# KiCad board untitled.kicad_pcb
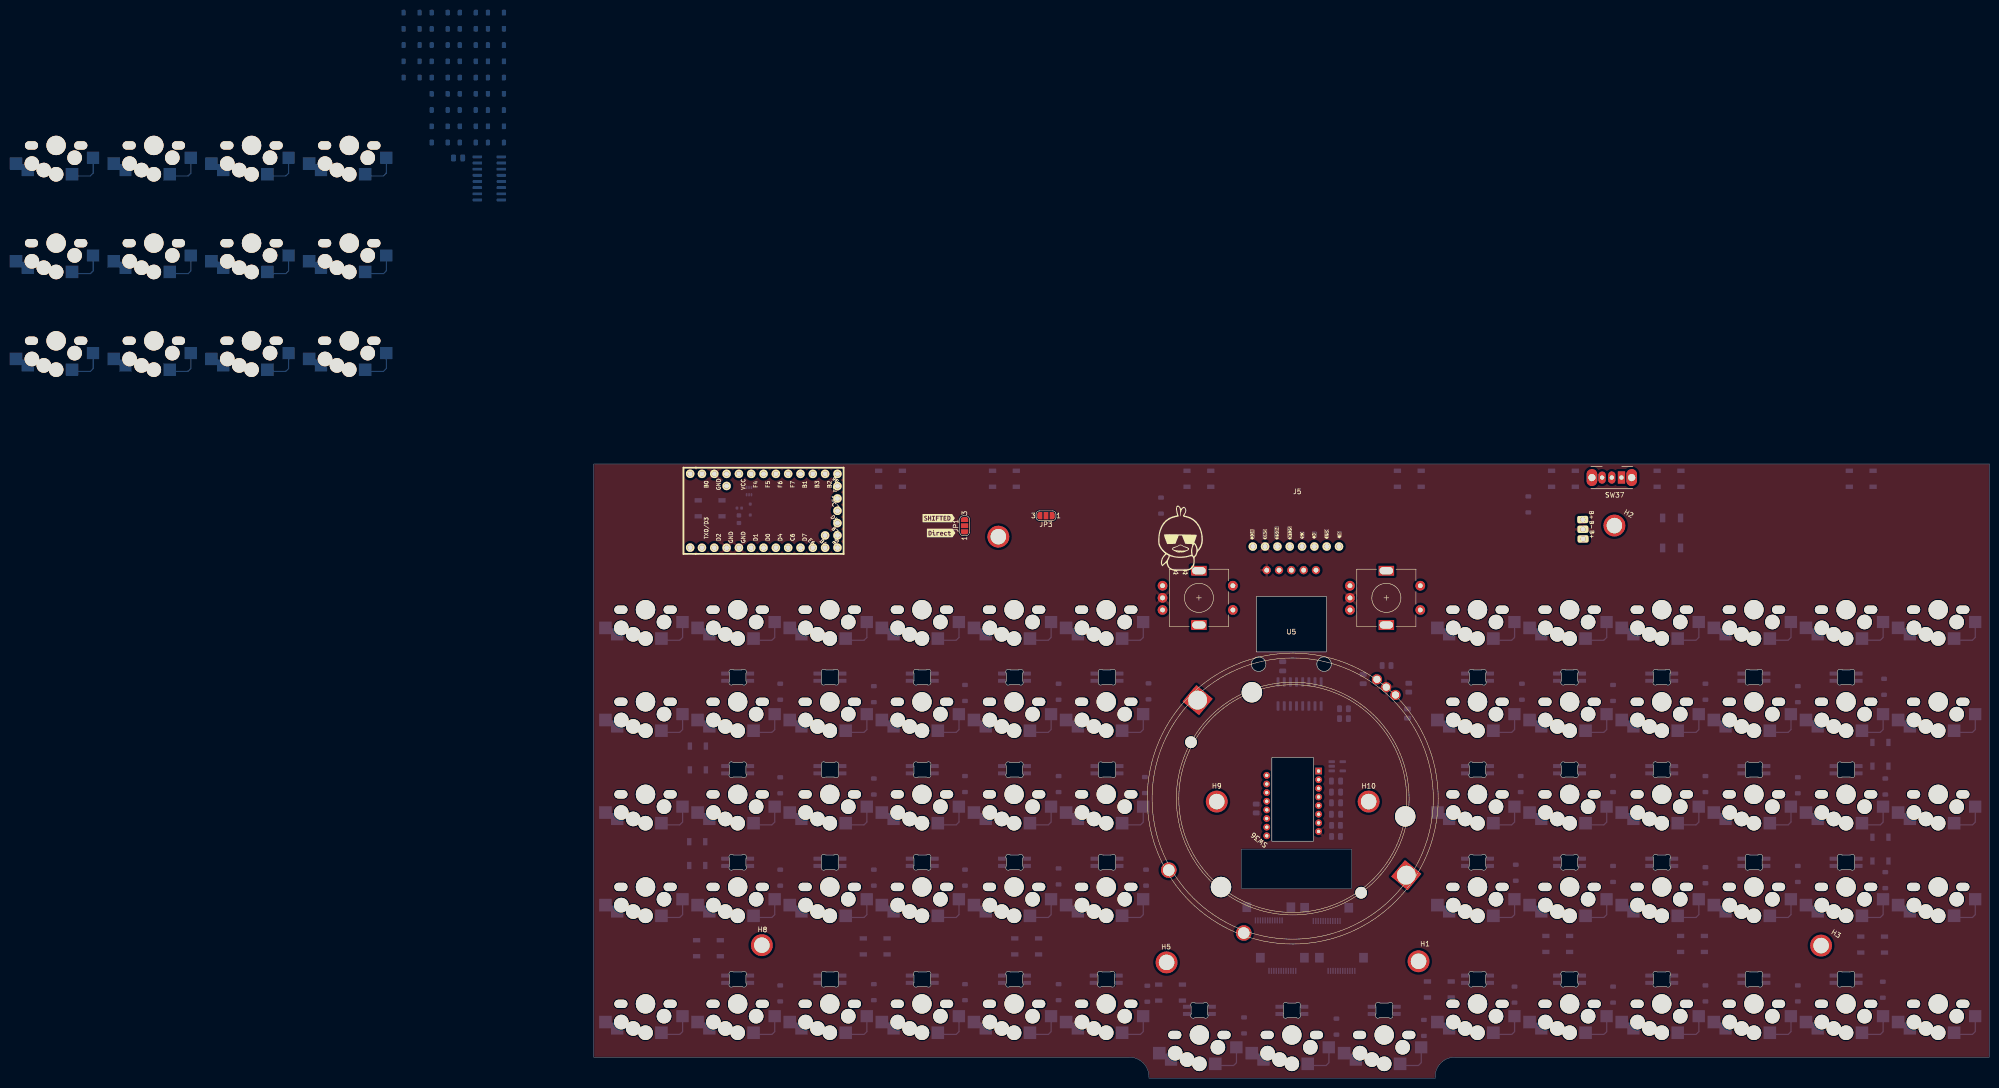
[diagram p0: board, top side]
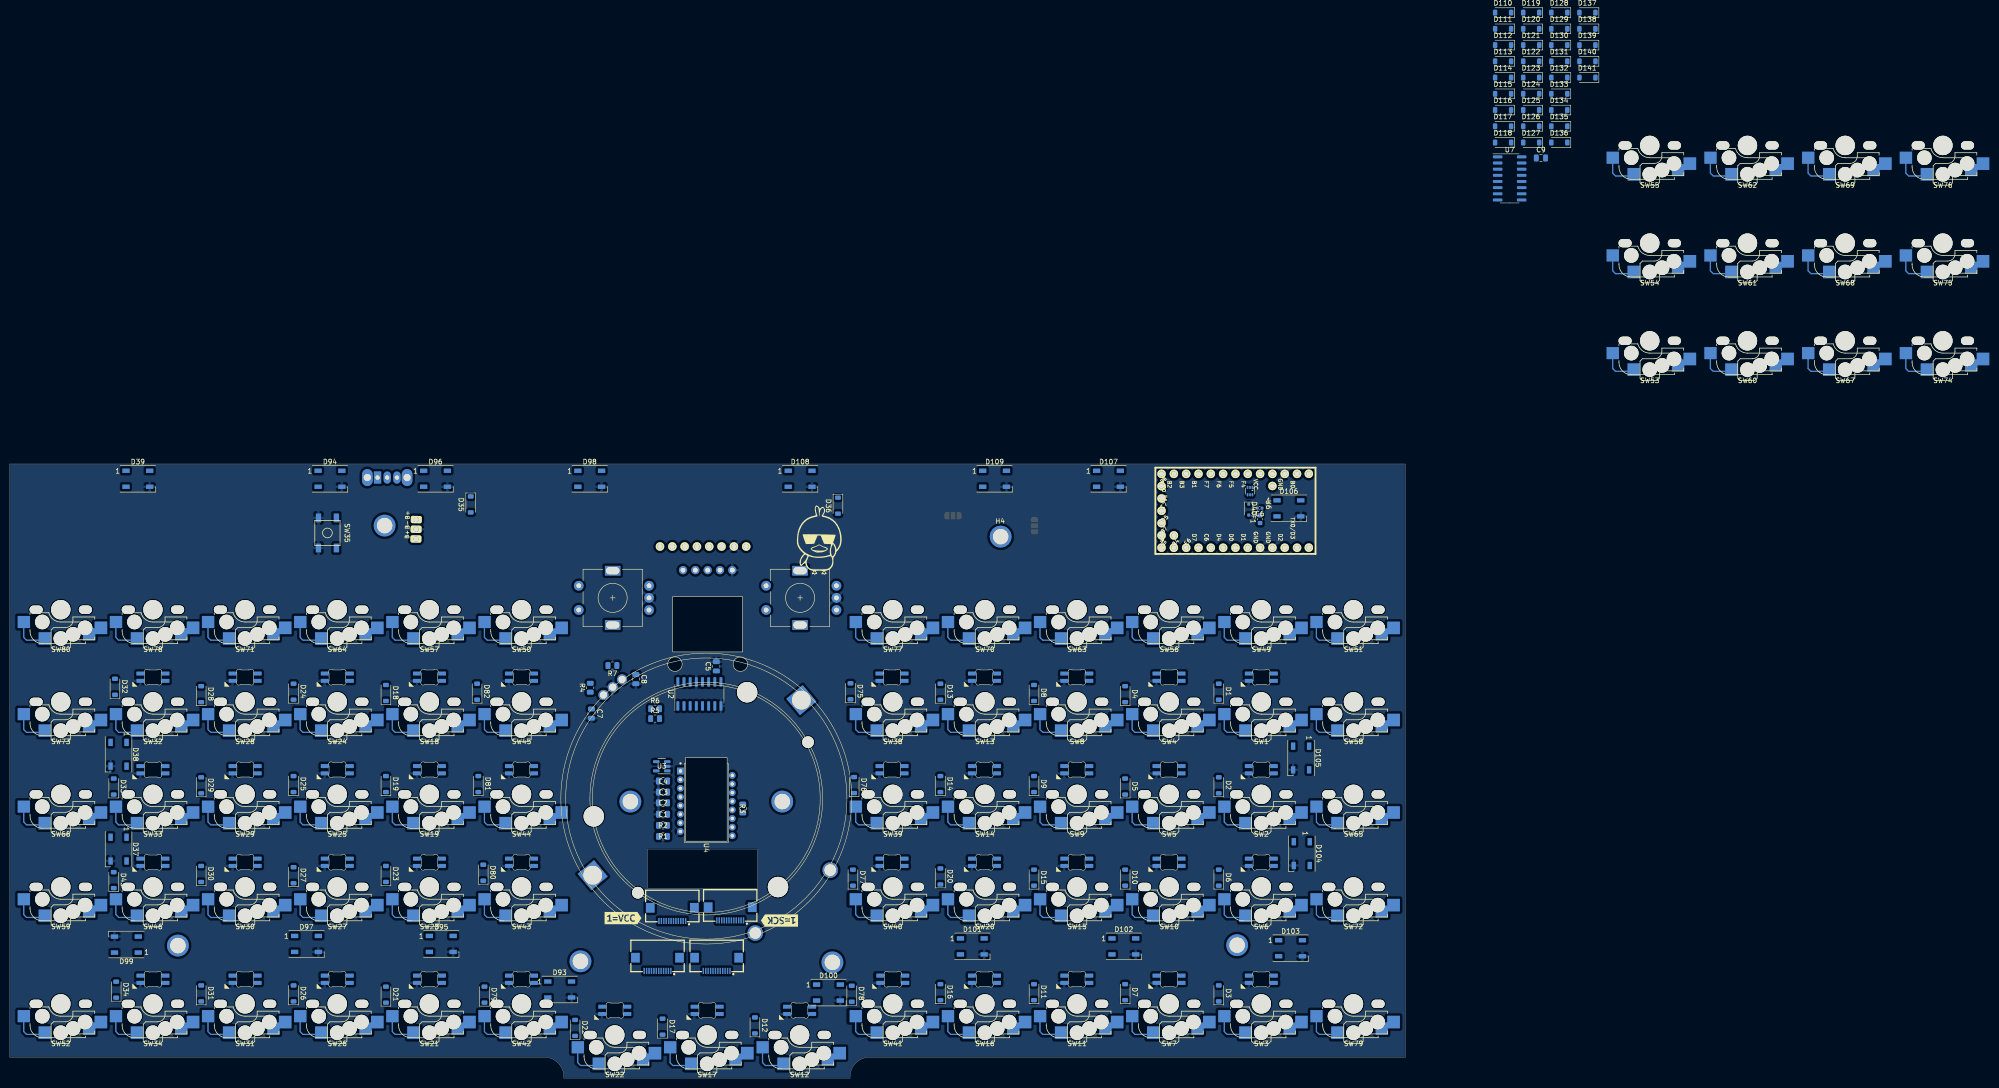
[diagram p1: board, bottom side, seen from below]

Outline 287.77 x 126.71 mm; copper layers: Top, Bottom. Coordinates in mm from the lower left corner of the outline.
Outline path: 0,126.71 287.77,126.71 287.77,4.35 177.54,4.35 arc(174.68,3.16) 173.49,0.29 173.48,0 114.48,0 114.47,0.29 arc(113.29,3.16) 110.42,4.35 0,4.35 0,126.71 ; 133.6,47.28 156.21,47.28 156.21,39.15 133.6,39.15 133.6,47.28
Stack: Top 0.035mm / dielectric 1.51mm FR4 er 4.5 / Bottom 0.035mm

## Placement (name value [footprint] x y rotation side)
C1  0.1uF  [C_0805_2012Metric]  153.05 54.46 0 bottom
C2  1uF  [C_0805_2012Metric]  153.05 56.82 0 bottom
C3  4.7uF  [C_0805_2012Metric]  153.05 59.03 0 bottom
C4  0.1uF  [C_0805_2012Metric]  153.05 61.31 180 bottom
C5  0.1uF  [C_0805_2012Metric]  142.05 84.98 90 bottom
C6  4u7  [C_0402_1005Metric]  29.99 117.61 0 bottom
C7  0.1uF  [C_0805_2012Metric]  167.79 75.23 270 bottom
C8  0.1uF  [C_0805_2012Metric]  158.65 82.35 270 bottom
C9  0.1uF  [C_0805_2012Metric]  -28 189.84 180 bottom
D1  1N4148  [D_SOD-123-rotated]  38.46 79.79 270 bottom
D2  1N4148  [D_SOD-123-rotated]  38.46 60.48 270 bottom
D3  1N4148  [D_SOD-123-rotated]  38.46 17.56 270 bottom
D4  1N4148  [D_SOD-123-rotated]  57.76 79.28 270 bottom
D5  1N4148  [D_SOD-123-rotated]  57.76 60.23 270 bottom
D6  1N4148  [D_SOD-123-rotated]  38.46 41.43 270 bottom
D7  1N4148  [D_SOD-123-rotated]  57.76 17.81 270 bottom
D8  1N4148  [D_SOD-123-rotated]  76.56 79.53 270 bottom
D9  1N4148  [D_SOD-123-rotated]  76.56 60.74 270 bottom
D10  1N4148  [D_SOD-123-rotated]  57.76 41.43 270 bottom
D11  1N4148  [D_SOD-123-rotated]  76.56 17.81 270 bottom
D12  1N4148  [D_SOD-123-rotated]  134.11 10.95 270 bottom
D13  1N4148  [D_SOD-123-rotated]  95.86 79.79 270 bottom
D14  1N4148  [D_SOD-123-rotated]  95.86 60.74 270 bottom
D15  1N4148  [D_SOD-123-rotated]  76.56 41.43 270 bottom
D16  1N4148  [D_SOD-123-rotated]  95.86 17.81 270 bottom
D17  1N4148  [D_SOD-123-rotated]  153.16 10.7 270 bottom
D18  1N4148  [D_SOD-123-rotated]  210.2 79.53 270 bottom
D19  1N4148  [D_SOD-123-rotated]  210.2 60.74 270 bottom
D20  1N4148  [D_SOD-123-rotated]  95.86 41.69 270 bottom
D21  1N4148  [D_SOD-123-rotated]  210.2 17.3 270 bottom
D22  1N4148  [D_SOD-123-rotated]  171.19 10.45 270 bottom
D23  1N4148  [D_SOD-123-rotated]  210.2 42.2 270 bottom
D24  1N4148  [D_SOD-123-rotated]  229.25 79.79 270 bottom
D25  1N4148  [D_SOD-123-rotated]  229.25 60.74 270 bottom
D26  1N4148  [D_SOD-123-rotated]  229.25 17.56 270 bottom
D27  1N4148  [D_SOD-123-rotated]  229.25 41.94 270 bottom
D28  1N4148  [D_SOD-123-rotated]  248.3 79.28 270 bottom
D29  1N4148  [D_SOD-123-rotated]  248.3 60.48 270 bottom
D30  1N4148  [D_SOD-123-rotated]  248.3 42.2 270 bottom
D31  1N4148  [D_SOD-123-rotated]  248.3 17.56 270 bottom
D32  1N4148  [D_SOD-123-rotated]  266.08 80.8 270 bottom
D33  1N4148  [D_SOD-123-rotated]  266.34 60.23 270 bottom
D34  1N4148  [D_SOD-123-rotated]  265.83 18.32 270 bottom
D35  1N4148  [D_SOD-123-rotated]  192.68 118.33 90 bottom
D36  1N4148  [D_SOD-123-rotated]  116.94 118.08 90 bottom
D37  WS2812B  [LED_WS2812B_PLCC4_5.0x5.0mm_P3.2mm]  265.32 47.28 270 bottom
D38  WS2812B  [LED_WS2812B_PLCC4_5.0x5.0mm_P3.2mm]  265.32 66.83 270 bottom
D39  WS2812B  [LED_WS2812B_PLCC4_5.0x5.0mm_P3.2mm]  261.35 123.66 180 bottom
D40  B5817WS  [D_SOD-323]  32.26 117.31 270 bottom
D41  SK6812MINI-E  [MX_SK6812MINI-E_REV]  86.75 15.35 180 top
D42  SK6812MINI-E  [MX_SK6812MINI-E_REV]  220.22 39.47 180 top
D43  1N4148  [D_SOD-123-rotated]  266.34 40.93 270 bottom
D44  SK6812MINI-E  [MX_SK6812MINI-E_REV]  239.22 58.57 180 top
D45  SK6812MINI-E  [MX_SK6812MINI-E_REV]  201.21 15.35 180 top
D46  SK6812MINI-E  [MX_SK6812MINI-E_REV]  105.82 77.66 180 top
D47  SK6812MINI-E  [MX_SK6812MINI-E_REV]  48.69 58.57 180 top
D48  SK6812MINI-E  [MX_SK6812MINI-E_REV]  67.72 39.47 180 top
D49  SK6812MINI-E  [MX_SK6812MINI-E_REV]  201.21 39.47 180 top
D50  SK6812MINI-E  [MX_SK6812MINI-E_REV]  258.23 58.57 180 top
D51  SK6812MINI-E  [MX_SK6812MINI-E_REV]  220.22 15.35 180 top
D52  SK6812MINI-E  [MX_SK6812MINI-E_REV]  105.66 15.36 180 top
D53  SK6812MINI-E  [MX_SK6812MINI-E_REV]  86.75 77.66 180 top
D54  SK6812MINI-E  [MX_SK6812MINI-E_REV]  67.72 58.57 180 top
D55  SK6812MINI-E  [MX_SK6812MINI-E_REV]  48.69 39.47 180 top
D56  SK6812MINI-E  [MX_SK6812MINI-E_REV]  182.23 39.47 180 top
D57  SK6812MINI-E  [MX_SK6812MINI-E_REV]  258.23 77.66 180 top
D58  SK6812MINI-E  [MX_SK6812MINI-E_REV]  239.22 15.35 180 top
D59  SK6812MINI-E  [MX_SK6812MINI-E_REV]  124.88 8.94 180 top
D60  SK6812MINI-E  [MX_SK6812MINI-E_REV]  67.72 77.66 180 top
D61  SK6812MINI-E  [MX_SK6812MINI-E_REV]  86.75 58.57 180 top
D62  SK6812MINI-E  [MX_SK6812MINI-E_REV]  29.66 39.47 180 top
D63  SK6812MINI-E  [MX_SK6812MINI-E_REV]  182.23 58.57 180 top
D64  SK6812MINI-E  [MX_SK6812MINI-E_REV]  239.22 77.66 180 top
D65  SK6812MINI-E  [MX_SK6812MINI-E_REV]  258.23 15.35 180 top
D66  SK6812MINI-E  [MX_SK6812MINI-E_REV]  143.94 8.94 180 top
D67  SK6812MINI-E  [MX_SK6812MINI-E_REV]  48.69 77.66 180 top
D68  SK6812MINI-E  [MX_SK6812MINI-E_REV]  105.82 58.57 180 top
D69  SK6812MINI-E  [MX_SK6812MINI-E_REV]  29.66 15.35 180 top
D70  SK6812MINI-E  [MX_SK6812MINI-E_REV]  201.21 58.57 180 top
D71  SK6812MINI-E  [MX_SK6812MINI-E_REV]  220.22 77.66 180 top
D72  SK6812MINI-E  [MX_SK6812MINI-E_REV]  258.23 39.47 180 top
D73  SK6812MINI-E  [MX_SK6812MINI-E_REV]  162.99 8.94 180 top
D74  SK6812MINI-E  [MX_SK6812MINI-E_REV]  29.66 77.66 180 top
D75  1N4148  [D_SOD-123-rotated]  114.41 79.87 270 bottom
D76  1N4148  [D_SOD-123-rotated]  113.64 60.54 270 bottom
D77  1N4148  [D_SOD-123-rotated]  113.9 41.43 270 bottom
D78  1N4148  [D_SOD-123-rotated]  114.15 17.49 270 bottom
D79  1N4148  [D_SOD-123-rotated]  189.88 17.3 270 bottom
D80  1N4148  [D_SOD-123-rotated]  190.14 42.45 270 bottom
D81  1N4148  [D_SOD-123-rotated]  191.15 60.74 270 bottom
D82  1N4148  [D_SOD-123-rotated]  191.41 79.79 270 bottom
D83  SK6812MINI-E  [MX_SK6812MINI-E_REV]  105.82 39.47 180 top
D84  SK6812MINI-E  [MX_SK6812MINI-E_REV]  48.69 15.35 180 top
D85  SK6812MINI-E  [MX_SK6812MINI-E_REV]  67.72 15.35 180 top
D86  SK6812MINI-E  [MX_SK6812MINI-E_REV]  220.22 58.57 180 top
D87  SK6812MINI-E  [MX_SK6812MINI-E_REV]  201.21 77.66 180 top
D88  SK6812MINI-E  [MX_SK6812MINI-E_REV]  239.22 39.47 180 top
D89  SK6812MINI-E  [MX_SK6812MINI-E_REV]  182.23 15.35 180 top
D90  SK6812MINI-E  [MX_SK6812MINI-E_REV]  29.66 58.57 180 top
D91  SK6812MINI-E  [MX_SK6812MINI-E_REV]  86.75 39.47 180 top
D92  SK6812MINI-E  [MX_SK6812MINI-E_REV]  182.23 77.66 180 top
D93  WS2812B  [LED_WS2812B_PLCC4_5.0x5.0mm_P3.2mm]  174.36 18.32 180 bottom
D94  WS2812B  [LED_WS2812B_PLCC4_5.0x5.0mm_P3.2mm]  221.72 123.66 180 bottom
D95  WS2812B  [LED_WS2812B_PLCC4_5.0x5.0mm_P3.2mm]  198.77 27.72 180 bottom
D96  WS2812B  [LED_WS2812B_PLCC4_5.0x5.0mm_P3.2mm]  199.95 123.66 180 bottom
D97  WS2812B  [LED_WS2812B_PLCC4_5.0x5.0mm_P3.2mm]  226.57 27.72 180 bottom
D98  WS2812B  [LED_WS2812B_PLCC4_5.0x5.0mm_P3.2mm]  168.16 123.66 180 bottom
D99  WS2812B  [LED_WS2812B_PLCC4_5.0x5.0mm_P3.2mm]  263.71 27.59 0 bottom
D100  WS2812B  [LED_WS2812B_PLCC4_5.0x5.0mm_P3.2mm]  118.93 17.68 180 bottom
D101  WS2812B  [LED_WS2812B_PLCC4_5.0x5.0mm_P3.2mm]  89.26 27.21 180 bottom
D102  WS2812B  [LED_WS2812B_PLCC4_5.0x5.0mm_P3.2mm]  58.02 27.21 180 bottom
D103  WS2812B  [LED_WS2812B_PLCC4_5.0x5.0mm_P3.2mm]  23.64 26.83 180 bottom
D104  WS2812B  [LED_WS2812B_PLCC4_5.0x5.0mm_P3.2mm]  21.32 46.35 270 bottom
D105  WS2812B  [LED_WS2812B_PLCC4_5.0x5.0mm_P3.2mm]  21.46 66.07 270 bottom
D106  WS2812B  [LED_WS2812B_PLCC4_5.0x5.0mm_P3.2mm]  23.98 117.57 180 bottom
D107  WS2812B  [LED_WS2812B_PLCC4_5.0x5.0mm_P3.2mm]  61.18 123.66 180 bottom
D108  WS2812B  [LED_WS2812B_PLCC4_5.0x5.0mm_P3.2mm]  124.77 123.66 180 bottom
D109  WS2812B  [LED_WS2812B_PLCC4_5.0x5.0mm_P3.2mm]  84.67 123.66 180 bottom
D110  1N4148  [D_SOD-123-rotated]  -20.15 219.8 180 bottom
D111  1N4148  [D_SOD-123-rotated]  -20.15 216.45 180 bottom
D112  1N4148  [D_SOD-123-rotated]  -20.15 213.1 180 bottom
D113  1N4148  [D_SOD-123-rotated]  -20.15 209.75 180 bottom
D114  1N4148  [D_SOD-123-rotated]  -20.15 206.4 180 bottom
D115  1N4148  [D_SOD-123-rotated]  -20.15 203.05 180 bottom
D116  1N4148  [D_SOD-123-rotated]  -20.15 199.7 180 bottom
D117  1N4148  [D_SOD-123-rotated]  -20.15 196.35 180 bottom
D118  1N4148  [D_SOD-123-rotated]  -20.15 193 180 bottom
D119  1N4148  [D_SOD-123-rotated]  -25.95 219.8 180 bottom
D120  1N4148  [D_SOD-123-rotated]  -25.95 216.45 180 bottom
D121  1N4148  [D_SOD-123-rotated]  -25.95 213.1 180 bottom
D122  1N4148  [D_SOD-123-rotated]  -25.95 209.75 180 bottom
D123  1N4148  [D_SOD-123-rotated]  -25.95 206.4 180 bottom
D124  1N4148  [D_SOD-123-rotated]  -25.95 203.05 180 bottom
D125  1N4148  [D_SOD-123-rotated]  -25.95 199.7 180 bottom
D126  1N4148  [D_SOD-123-rotated]  -25.95 196.35 180 bottom
D127  1N4148  [D_SOD-123-rotated]  -25.95 193 180 bottom
D128  1N4148  [D_SOD-123-rotated]  -31.74 219.8 180 bottom
D129  1N4148  [D_SOD-123-rotated]  -31.74 216.45 180 bottom
D130  1N4148  [D_SOD-123-rotated]  -31.74 213.1 180 bottom
D131  1N4148  [D_SOD-123-rotated]  -31.74 209.75 180 bottom
D132  1N4148  [D_SOD-123-rotated]  -31.74 206.4 180 bottom
D133  1N4148  [D_SOD-123-rotated]  -31.74 203.05 180 bottom
D134  1N4148  [D_SOD-123-rotated]  -31.74 199.7 180 bottom
D135  1N4148  [D_SOD-123-rotated]  -31.74 196.35 180 bottom
D136  1N4148  [D_SOD-123-rotated]  -31.74 193 180 bottom
D137  1N4148  [D_SOD-123-rotated]  -37.54 219.8 180 bottom
D138  1N4148  [D_SOD-123-rotated]  -37.54 216.45 180 bottom
D139  1N4148  [D_SOD-123-rotated]  -37.54 213.1 180 bottom
D140  1N4148  [D_SOD-123-rotated]  -37.54 209.75 180 bottom
D141  1N4148  [D_SOD-123-rotated]  -37.54 206.4 180 bottom
F1  500mA  [Fuse_0603_1608Metric]  29.93 115.32 90 bottom
G1  -  [LOGO]  120.9 109.69 0 top
G***  -  [LOGO]  120.9 109.69 180 bottom
H1  MountingHole_Pad  [MountingHole_M3]  170.07 24.13 1 top
H2  MountingHole_Pad  [MountingHole_M3]  210.46 114.01 331 top
H3  MountingHole_Pad  [MountingHole_M3#2]  253.13 27.46 329 top
H4  MountingHole_Pad  [MountingHole_M3]  83.42 111.73 358 top
H5  MountingHole_Pad  [MountingHole_M3]  118.11 23.91 2 top
H8  MountingHole_Pad  [MountingHole_M3]  34.65 27.46 358 top
H9  MountingHole_Pad  [MountingHole_M3]  128.46 57.08 0 top
H10  MountingHole_Pad  [MountingHole_M3]  159.78 57.08 0 top
J1  Conn_01x12_Female  [FPC-SMD_FPC05012-09200-.5mm-rev]  151.13 33.81 0 bottom
J2  Conn_01x12_Female  [FPC-SMD_FPC05012-09200-.5mm-rev]  139.19 33.93 0 bottom
J3  Conn_01x12_Female  [FPC-SMD_FPC05012-09200-.5mm-rev]  154.18 23.52 0 bottom
J4  Conn_01x08_Female  [3JST_BAT]  203.96 113.25 91 top
J5  Conn_01x08_Female  [Screen Dupont]  144.98 109.98 0 top
J6  Conn_01x12_Female  [FPC-SMD_FPC05012-09200-.5mm-rev]  141.98 23.52 0 bottom
JP1  SolderJumper_3_Open  [SolderJumper-3_P1.3mm_Open_RoundedPad1.0x1.5mm_NumberLabels]  76.45 113.98 90 top
JP3  SolderJumper_3_Open  [SolderJumper-3_P1.3mm_Open_RoundedPad1.0x1.5mm_NumberLabels]  93.25 116.04 180 top
kibuzzard-63B827BA  G***  [kibuzzard-63B827BA]  71.12 115.54 0 top
kibuzzard-63B8279E  G***  [kibuzzard-63B8279E]  71.63 112.49 0 top
kibuzzard-638CDE9C  G***  [kibuzzard-638CDE9C]  161.29 33.05 180 bottom
kibuzzard-638CDF14  G***  [kibuzzard-638CDF14]  129.03 32.54 0 bottom
R1  39  [R_0805_2012Metric]  153.05 49.88 0 bottom
R2  10K  [R_0805_2012Metric]  153.05 52.17 0 bottom
R3  10K  [R_0805_2012Metric]  136.6 55.65 90 bottom
R4  10K  [R_0805_2012Metric]  168.05 80.57 90 bottom
R5  10K  [R_0805_2012Metric]  154.68 74.2 180 bottom
R6  10K  [R_0805_2012Metric]  154.68 76.23 180 bottom
R7  10K  [R_0805_2012Metric]  163.48 85.14 0 bottom
SW1  SW_Push  [Kailh_hotswap_only_MX-CHOC]  29.66 77.66 180 top
SW2  SW_Push  [Kailh_hotswap_only_MX-CHOC]  29.66 58.57 180 top
SW3  SW_Push  [Kailh_hotswap_only_MX-CHOC]  29.66 15.35 180 top
SW4  SW_Push  [Kailh_hotswap_only_MX-CHOC]  48.66 77.66 180 top
SW5  SW_Push  [Kailh_hotswap_only_MX-CHOC]  48.66 58.57 180 top
SW6  SW_Push  [Kailh_hotswap_only_MX-CHOC]  29.66 39.47 180 top
SW7  SW_Push  [Kailh_hotswap_only_MX-CHOC]  48.66 15.35 180 top
SW8  SW_Push  [Kailh_hotswap_only_MX-CHOC]  67.66 77.66 180 top
SW9  SW_Push  [Kailh_hotswap_only_MX-CHOC]  67.66 58.57 180 top
SW10  SW_Push  [Kailh_hotswap_only_MX-CHOC]  48.66 39.47 180 top
SW11  SW_Push  [Kailh_hotswap_only_MX-CHOC]  67.66 15.35 180 top
SW12  SW_Push  [Kailh_hotswap_only_MX-CHOC]  124.88 8.94 180 top
SW13  SW_Push  [Kailh_hotswap_only_MX-CHOC]  86.66 77.66 180 top
SW14  SW_Push  [Kailh_hotswap_only_MX-CHOC]  86.66 58.57 180 top
SW15  SW_Push  [Kailh_hotswap_only_MX-CHOC]  67.66 39.47 180 top
SW16  SW_Push  [Kailh_hotswap_only_MX-CHOC]  86.66 15.35 180 top
SW17  SW_Push  [Kailh_hotswap_only_MX-CHOC]  143.94 8.94 180 top
SW18  SW_Push  [Kailh_hotswap_only_MX-CHOC]  201.23 77.66 180 top
SW19  SW_Push  [Kailh_hotswap_only_MX-CHOC]  201.23 58.57 180 top
SW20  SW_Push  [Kailh_hotswap_only_MX-CHOC]  86.66 39.47 180 top
SW21  SW_Push  [Kailh_hotswap_only_MX-CHOC]  201.23 15.35 180 top
SW22  SW_Push  [Kailh_hotswap_only_MX-CHOC]  162.99 8.94 180 top
SW23  SW_Push  [Kailh_hotswap_only_MX-CHOC]  201.23 39.47 180 top
SW24  SW_Push  [Kailh_hotswap_only_MX-CHOC]  220.23 77.66 180 top
SW25  SW_Push  [Kailh_hotswap_only_MX-CHOC]  220.23 58.57 180 top
SW26  SW_Push  [Kailh_hotswap_only_MX-CHOC]  220.23 15.35 180 top
SW27  SW_Push  [Kailh_hotswap_only_MX-CHOC]  220.23 39.47 180 top
SW28  SW_Push  [Kailh_hotswap_only_MX-CHOC]  239.23 77.66 180 top
SW29  SW_Push  [Kailh_hotswap_only_MX-CHOC]  239.23 58.57 180 top
SW30  SW_Push  [Kailh_hotswap_only_MX-CHOC]  239.23 39.47 180 top
SW31  SW_Push  [Kailh_hotswap_only_MX-CHOC]  239.23 15.35 180 top
SW32  SW_Push  [Kailh_hotswap_only_MX-CHOC]  258.23 77.66 180 top
SW33  SW_Push  [Kailh_hotswap_only_MX-CHOC]  258.23 58.57 180 top
SW34  SW_Push  [Kailh_hotswap_only_MX-CHOC]  258.23 15.35 180 top
SW35  SW_Push  [SKQG-1155865]  222.25 112.49 90 bottom
SW36  RotaryEncoder  [PERS56v2]  144.12 57.7 140 top
SW37  SW_SPDT  [SW_CuK_OS102011MA1QN1_SPDT_Angled]  211.92 123.92 180 top
SW38  SW_Push  [Kailh_hotswap_only_MX-CHOC]  105.66 77.66 180 top
SW39  SW_Push  [Kailh_hotswap_only_MX-CHOC]  105.66 58.58 180 top
SW40  SW_Push  [Kailh_hotswap_only_MX-CHOC]  105.66 39.48 180 top
SW41  SW_Push  [Kailh_hotswap_only_MX-CHOC]  105.66 15.36 180 top
SW42  SW_Push  [Kailh_hotswap_only_MX-CHOC]  182.23 15.35 180 top
SW43  SW_Push  [Kailh_hotswap_only_MX-CHOC]  182.23 39.47 180 top
SW44  SW_Push  [Kailh_hotswap_only_MX-CHOC]  182.23 58.57 180 top
SW45  SW_Push  [Kailh_hotswap_only_MX-CHOC]  182.23 77.66 180 top
SW46  SW_Push  [Kailh_hotswap_only_MX-CHOC]  258.23 39.47 180 top
SW47  Rotary_Encoder_Switch  [RotaryEncoder_Alps_EC11E-Switch_Vertical_H20mm-keebio_modified]  163.43 99.1 0 top
SW48  Rotary_Encoder_Switch  [RotaryEncoder_Alps_EC11E-Switch_Vertical_H20mm-keebio_modified]  124.78 99.1 0 top
SW49  SW_Push  [Kailh_hotswap_only_MX-CHOC]  29.66 96.66 180 top
SW50  SW_Push  [Kailh_hotswap_only_MX-CHOC]  182.23 96.66 180 top
SW51  SW_Push  [Kailh_hotswap_only_MX-CHOC]  10.66 96.66 180 top
SW52  SW_Push  [Kailh_hotswap_only_MX-CHOC]  277.23 15.36 180 top
SW53  SW_Push  [Kailh_hotswap_only_MX-CHOC]  -50.44 152.12 180 top
SW54  SW_Push  [Kailh_hotswap_only_MX-CHOC]  -50.44 172.27 180 top
SW55  SW_Push  [Kailh_hotswap_only_MX-CHOC]  -50.44 192.42 180 top
SW56  SW_Push  [Kailh_hotswap_only_MX-CHOC]  48.66 96.66 180 top
SW57  SW_Push  [Kailh_hotswap_only_MX-CHOC]  201.23 96.66 180 top
SW58  SW_Push  [Kailh_hotswap_only_MX-CHOC]  10.66 77.66 180 top
SW59  SW_Push  [Kailh_hotswap_only_MX-CHOC]  277.23 39.48 180 top
SW60  SW_Push  [Kailh_hotswap_only_MX-CHOC]  -70.59 152.12 180 top
SW61  SW_Push  [Kailh_hotswap_only_MX-CHOC]  -70.59 172.27 180 top
SW62  SW_Push  [Kailh_hotswap_only_MX-CHOC]  -70.59 192.42 180 top
SW63  SW_Push  [Kailh_hotswap_only_MX-CHOC]  67.66 96.66 180 top
SW64  SW_Push  [Kailh_hotswap_only_MX-CHOC]  220.23 96.66 180 top
SW65  SW_Push  [Kailh_hotswap_only_MX-CHOC]  10.66 58.58 180 top
SW66  SW_Push  [Kailh_hotswap_only_MX-CHOC]  277.23 58.58 180 top
SW67  SW_Push  [Kailh_hotswap_only_MX-CHOC]  -90.74 152.12 180 top
SW68  SW_Push  [Kailh_hotswap_only_MX-CHOC]  -90.74 172.27 180 top
SW69  SW_Push  [Kailh_hotswap_only_MX-CHOC]  -90.74 192.42 180 top
SW70  SW_Push  [Kailh_hotswap_only_MX-CHOC]  86.66 96.66 180 top
SW71  SW_Push  [Kailh_hotswap_only_MX-CHOC]  239.23 96.66 180 top
SW72  SW_Push  [Kailh_hotswap_only_MX-CHOC]  10.66 39.47 180 top
SW73  SW_Push  [Kailh_hotswap_only_MX-CHOC]  277.23 77.66 180 top
SW74  SW_Push  [Kailh_hotswap_only_MX-CHOC]  -110.89 152.12 180 top
SW75  SW_Push  [Kailh_hotswap_only_MX-CHOC]  -110.89 172.27 180 top
SW76  SW_Push  [Kailh_hotswap_only_MX-CHOC]  -110.89 192.42 180 top
SW77  SW_Push  [Kailh_hotswap_only_MX-CHOC]  105.66 96.66 180 top
SW78  SW_Push  [Kailh_hotswap_only_MX-CHOC]  258.23 96.66 180 top
SW79  SW_Push  [Kailh_hotswap_only_MX-CHOC]  10.66 15.36 180 top
SW80  SW_Push  [Kailh_hotswap_only_MX-CHOC]  277.23 96.66 180 top
U1  Elite-C  [Helios-SeaPicro]  36.27 117.06 0 top
U2  74HC595  [SOIC-16_3.9x9.9mm_P1.27mm]  145.54 79.28 90 bottom
U3  VRH1902LTX  [SOT-23-5]  153.3 64.36 0 bottom
U4  -  [PMW3360DM-T2QU]  144.11 57.72 270 bottom
U5  DRV2605L  [Pimoroni Haptic Buzz DRV2605L Driver]  143.84 94.42 180 top
U6  74LVC1T45  [SOT-563]  32 121.12 270 bottom
U7  74HC595  [SOIC-16_3.9x9.9mm_P1.27mm]  -21.55 185.62 180 bottom

## Library data of the parts
C1 C4 C5 C7-C9 = -: Description: Unpolarized capacitor; LCSC: C77456; manf#: 0805B104K101CT
C2 = -: Description: Unpolarized capacitor; LCSC: C366879; manf#: 0805B105K100CT
C3 = -: Description: Unpolarized capacitor; LCSC: C303940; manf#: 0805X475K250CT
C6 = -: Description: Unpolarized capacitor; JLC Basic: Y; LCSC: C23733; MPN : CL05A475MP5NRNC; Manufacturer: Samsung Electro-Mechanics; Substitute: Y
D1-D34 D43 D75-D82 D110-D141 = -: Description: 100V 0.15A standard switching diode, DO-35; LCSC: C8598
D35 D36 = -: Description: 100V 0.15A standard switching diode, DO-35; LCSC: C8598; MPN : B5819W SL; Package: SOD-123
D37-D39 D93-D109 = -: Description: RGB LED with integrated controller; LCSC: C2843785; MPN : XL-5050RGBC-WS2812B; Package: SMD5050
D40 = -: Description: Schottky diode; JLC Basic: N; LCSC: C122854; Manufacturer: Shikues; Substitute: N
D41 D42 D44-D74 D83-D92 = -: Description: Reverse-mount RGB LED with integrated controller; Field4: 1
F1 = -: Description: Resettable fuse, polymeric positive temperature coefficient, small symbol; JLC Basic: N; LCSC: C210357; MPN : MF-FSMF050X-2; Manufacturer: BOURNS; Substitute: Y
H1-H5 H8-H10 = -: Description: Mounting Hole without connection
J1-J3 J6 = -: Description: Generic connector, single row, 01x12, script generated (kicad-library-utils/schlib/autogen/connector/); LCSC: C479750
J4 = -: Description: Generic connector, single row, 01x03, script generated (kicad-library-utils/schlib/autogen/connector/)
J5 = -: Description: Generic connector, single row, 01x08, script generated (kicad-library-utils/schlib/autogen/connector/)
JP1 JP3 = -: Description: Solder Jumper, 3-pole, open
R1 = -: Description: Resistor; LCSC: C514993; manf#: SG73P2ATTD39R0F
R2-R7 = -: Description: Resistor; LCSC: C406725; manf#: ARG05BTC1002
SW1-SW34 SW38-SW46 SW49-SW80 = -: Description: Push button switch, generic, two pins
SW35 = -: Description: Push button switch, generic, two pins; LCSC: C221856
SW36 = -: Description: Rotary encoder, dual channel, incremental quadrate outputs
SW37 = -: Description: Switch, single pole double throw; LCSC(not included): C226259
U2 U7 = -: Description: 8-bit serial in/out Shift Register 3-State Outputs; LCSC: C10092
U3 = -: Description: 200mA Low Dropout Voltage Regulator, Fixed Output 1.9V, SOT-23-5
U4 = -: Description: High-end gaming integrated chip in 16-pin molded lead-frame DIP package
U6 = -: Description: Single-Bit Dual-Supply Bus Transceiver With Configurable Voltage Translation and 3-State Outputs, SOT-563; JLC Basic: N; LCSC: C352970; MPN : SN74LVC1T45DRLR; Manufacturer: Texas Instruments; Substitute: N

## Footprints (pads in the part's own frame, mm; a bottom-side part is the same pattern mirrored in y, then rotated)
3JST_BAT
  rrect 1.5x2.25 hole 1.092: 1(2,0) 2(0,0) 3(-2,0)
C_0402_1005Metric
  rrect 0.56x0.62 smd: 1(-0.48,0) 2(0.48,0)
C_0805_2012Metric
  rrect 1x1.45 smd: 1(-0.95,0) 2(0.95,0)
D_SOD-123-rotated
  rrect 0.9x1.2 smd: 1(1.697,0.021) 2(-1.603,0.021)
D_SOD-323
  rrect 0.65x0.6 smd: 1(-1.125,0) 2(1.125,0)
FPC-SMD_FPC05012-09200-.5mm-rev
  rect 0.28x1.25 smd: 1(-2.75,1.362) 2(-2.25,1.362) 3(-1.75,1.362) 4(-1.25,1.362) 5(-0.75,1.362) 6(-0.25,1.362) 7(0.25,1.362) 8(0.75,1.362) 9(1.25,1.362) 10(1.75,1.362) 11(2.25,1.362) 12(2.75,1.362)
  rect 1.8x2 smd: 13(4.55,-1.362) 14(-4.55,-1.362)
Fuse_0603_1608Metric
  rrect 0.875x0.95 smd: 1(-0.787,0) 2(0.787,0)
Helios-SeaPicro
  round 1.753 hole 1.092: 1(-13.97,-7.62) 2(-11.43,-7.62) 3(-8.89,-7.62) 4(-6.35,-7.62) 5(-3.81,-7.62) 6(-1.27,-7.62) 7(1.27,-7.62) 8(3.81,-7.62) 9(6.35,-7.62) 10(8.89,-7.62) 11(11.43,-7.62) 12(13.97,-7.6) 13(13.97,7.62) 14(11.43,7.62) 15(8.89,7.62) 16(6.35,7.62) 17(3.81,7.62) 18(1.27,7.62) 19(-1.27,7.62) 20(-3.81,7.62) 21(-6.35,7.62) 22(-8.89,7.62) 23(-11.43,7.62) 24(-13.97,7.62) 25(13.97,-5.08) 26(13.97,-2.54) 27(13.97,0) 28(13.97,2.54) 29(13.97,5.08) 30(-8.89,5.12) 30(11.43,-5.08) 31(-16.4,-7.6) 32(-16.4,7.64)
Kailh_hotswap_only_MX-CHOC
  oval 2.702x1.702 hole 2.702x1.702 unplated: (-5.08,0.004) (5.08,0)
  round 3 hole 3 unplated: (-3.81,2.54) (0.002,5.953) (2.54,5.08) (5,3.75)
  round 3.988 hole 3.988 unplated: (0.002,0.003)
  rect 2.55x2.5 smd far side: 1(5.844,5.083) 2(-7.62,2.54)
  rect 2.6x2.6 smd far side: 1(8.275,3.75) 2(-3.273,5.953)
  rrect 1x0.25 smd far side rot 45: 2(-8.343,5.558)
  rect 0.25x4 smd far side: 2(-8.026,2.73)
  rect 3x0.25 smd far side: 2(-6.6,6.68)
LED_WS2812B_PLCC4_5.0x5.0mm_P3.2mm
  rect 1.5x0.9 smd: 1(-2.45,1.65) 2(-2.45,-1.65) 3(2.45,-1.65) 4(2.45,1.65)
MountingHole_M3
  round 4.5 hole 3.2: 1(0,0)
MountingHole_M3#2
  round 4.5 hole 3.2: 1(0,-0.1)
MX_SK6812MINI-E_REV
  rrect 1.6x0.82 smd far side: 1(2.6,-5.83) 2(2.6,-4.33) 3(-2.6,-4.33) 4(-2.6,-5.83)
PERS56v2
  round 2.4 hole 2.4 unplated: (-23.29,5.806) (23.544,4.573)
  round 4.2 hole 4.2 unplated: (-20.135,-12.098) (-0.4,23.485) (20.549,-11.39)
  round 3.2 hole 2.4: (-10.094,27.733) (10.092,27.733)
  round 2.1 hole 1.5: A(-2.5,-30) B(2.5,-30) C(0,-30)
  rect 4.4x4.4 hole 3.8x3.9: MP(-28.095,-2.953) MP(28.071,-2.951)
Pimoroni Haptic Buzz DRV2605L Driver
  round 1.7 hole 1: 1(-5.08,-10.4)
  oval 1.7x1.7 hole 1: 2(-2.54,-10.4) 3(0,-10.4) 4(2.54,-10.4) 5(5.08,-10.4)
PMW3360DM-T2QU
  rect 1.4x1.4 hole 0.7: 1(-5.66,-5.35)
  round 1.4 hole 0.7: 2(-3.88,-5.35) 3(-2.1,-5.35) 4(-0.32,-5.35) 5(1.46,-5.35) 6(3.24,-5.35) 7(5.02,-5.35) 8(6.8,-5.35) 9(7.69,5.35) 10(5.91,5.35) 11(4.13,5.35) 12(2.35,5.35) 13(0.57,5.35) 14(-1.21,5.35) 15(-2.99,5.35) 16(-4.77,5.35)
R_0805_2012Metric
  rrect 1.025x1.4 smd: 1(-0.912,0) 2(0.912,0)
RotaryEncoder_Alps_EC11E-Switch_Vertical_H20mm-keebio_modified
  round 2 hole 1: A(-7.5,2.5) B(-7.5,-2.5) C(-7.5,0) S1(7,-2.5) S2(7,2.5)
  rect 3.2x2 hole 2.8x1.5: MP(0,5.6) MP(0,-5.6)
Screen Dupont
  round 1.753 hole 1.092: 1(-9.095,-0.288) 2(-6.555,-0.288) 3(-4.015,-0.288) 4(-1.475,-0.288) 5(1.065,-0.288) 6(3.605,-0.288) 7(6.145,-0.288) 8(8.685,-0.288)
SKQG-1155865
  rect 1.8x1.1 smd: 1(-3.1,-1.85) 1(3.1,-1.85) 2(-3.1,1.85) 2(3.1,1.85)
SOIC-16_3.9x9.9mm_P1.27mm
  rrect 1.95x0.6 smd: 1(-2.475,4.445) 2(-2.475,3.175) 3(-2.475,1.905) 4(-2.475,0.635) 5(-2.475,-0.635) 6(-2.475,-1.905) 7(-2.475,-3.175) 8(-2.475,-4.445) 9(2.475,-4.445) 10(2.475,-3.175) 11(2.475,-1.905) 12(2.475,-0.635) 13(2.475,0.635) 14(2.475,1.905) 15(2.475,3.175) 16(2.475,4.445)
SolderJumper-3_P1.3mm_Open_RoundedPad1.0x1.5mm_NumberLabels
  custom 1.05x1.5 smd: 1(-1.3,0) 3(1.3,0)
  rect 1x1.5 smd: 2(0,0)
SOT-23-5
  rrect 1.325x0.6 smd: 1(-1.137,0.95) 2(-1.137,0) 3(-1.137,-0.95) 4(1.137,-0.95) 5(1.137,0.95)
SOT-563
  rrect 0.7x0.34 smd: 1(-0.75,0.5)
  oval 0.7x0.34 smd: 2(-0.75,0) 3(-0.75,-0.5) 4(0.75,-0.5) 5(0.75,0) 6(0.75,0.5)
SW_CuK_OS102011MA1QN1_SPDT_Angled
  oval 2.2x3.5 hole 1.5: (-2.1,0) (6.1,0)
  rect 1.5x2.5 hole 0.9: 1(0,0)
  oval 1.5x2.5 hole 0.9: 2(2,0) 3(4,0)

## Nets
GND: C1.2 C2.2 C3.2 C4.1 C5.2 C6.2 C7.2 C8.2 C9.2 D37.3 D38.3 D39.3 D41.3 D42.3 D44.3 D45.3 D46.3 D47.3 D48.3 D49.3 D50.3 D51.3 D52.3 D53.3 D54.3 D55.3 D56.3 D57.3 D58.3 D59.3 D60.3 D61.3 D62.3 D63.3 D64.3 D65.3 D66.3 D67.3 D68.3 D69.3 D70.3 D71.3 D72.3 D73.3 D74.3 D83.3 D84.3 D85.3 D86.3 D87.3 D88.3 D89.3 D90.3 D91.3 D92.3 D93.3 D94.3 D95.3 D96.3 D97.3 D98.3 D99.3 D100.3 D101.3 D102.3 D103.3 D104.3 D105.3 D106.3 D107.3 D108.3 D109.3 J1.2 J2.11 J3.2 J4.2 J5.2 J6.11 SW35.2 SW36.C SW47.C SW48.C U1.3 U1.4 U1.23 U2.8 U2.13 U3.2 U4.8 U5.5 U6.2 U7.8 U7.13
VCC: C1.1 C5.1 C9.1 J1.1 J2.12 J3.1 J5.1 J6.12 R3.2 R5.2 R6.2 U1.21 U2.10 U2.16 U3.1 U3.3 U4.5 U5.1 U6.1 U6.5 U7.10 U7.16
VDD: C2.1 R1.1 R2.2 U3.5 U4.4
bat+: J4.1 J4.3 SW37.2
col0: D1.2 D2.2 D3.2 D6.2 D75.2 U2.7
col1: D4.2 D5.2 D7.2 D10.2 D76.2 U2.6
col2: D8.2 D9.2 D11.2 D12.2 D15.2 D77.2 U2.5
col3: D13.2 D14.2 D16.2 D17.2 D20.2 D78.2 U2.4
col4: D18.2 D19.2 D21.2 D22.2 D23.2 D79.2 U2.3
col5: D24.2 D25.2 D26.2 D27.2 D80.2 U2.2
col6: D28.2 D29.2 D30.2 D31.2 D81.2 U2.1
col7: D32.2 D33.2 D34.2 D43.2 D82.2 U2.15
col8: D110.2 D118.2 D126.2 D134.2 U7.7
col9: D111.2 D119.2 D127.2 D135.2 U7.6
col10: D112.2 D120.2 D128.2 D136.2 U7.5
col11: D113.2 D121.2 D129.2 D137.2 U7.4
col12: D114.2 D122.2 D130.2 D138.2 U7.3
col13: D115.2 D123.2 D131.2 D139.2 U7.2
col14: D116.2 D124.2 D132.2 D140.2 U7.1
col15: D117.2 D125.2 D133.2 D141.2 U7.15
EncL: C7.1 R4.1 U1.20
EncL_1: JP3.1 SW48.B
EncL_2: SW47.B U1.32
EncR: C8.1 R7.1 U1.19
EncR_1: SW48.A U1.18
EncR_2: SW47.A U1.31
GPIO16: JP3.2 U1.29
LED_3V3: U1.28 U6.3
LED_5V: JP1.1 U1.30
LED_DO: D46.4 JP1.2
LED_PWR: D37.1 D38.1 D39.1 D40.1 D41.1 D42.1 D44.1 D45.1 D46.1 D47.1 D48.1 D49.1 D50.1 D51.1 D52.1 D53.1 D54.1 D55.1 D56.1 D57.1 D58.1 D59.1 D60.1 D61.1 D62.1 D63.1 D64.1 D65.1 D66.1 D67.1 D68.1 D69.1 D70.1 D71.1 D72.1 D73.1 D74.1 D83.1 D84.1 D85.1 D86.1 D87.1 D88.1 D89.1 D90.1 D91.1 D92.1 D93.1 D94.1 D95.1 D96.1 D97.1 D98.1 D99.1 D100.1 D101.1 D102.1 D103.1 D104.1 D105.1 D106.1 D107.1 D108.1 D109.1
LED_SHFT_5V: JP1.3 U6.4
MISO: J1.11 J2.2 J3.11 J6.2 R3.1 U1.15 U4.12
MOSI: J1.8 J2.5 J3.8 J5.3 J6.5 U1.14 U2.14 U4.11
MOTION: J1.9 J2.4 J3.9 J6.4 JP3.3 U4.9
NCS: J1.10 J2.3 U1.2 U4.13
NCS_2: J3.10 J6.3
RAW: C6.1 F1.2 SW37.3 U1.24 U6.6
RESET: SW35.1 U1.22
row_0: SW1.1 SW4.1 SW8.1 SW13.1 SW18.1 SW24.1 SW28.1 SW32.1 SW49.1 SW50.1 SW51.1 SW52.1 SW53.1 SW54.1 SW55.1 SW56.1 U1.7
row_1: SW2.1 SW5.1 SW9.1 SW14.1 SW19.1 SW25.1 SW29.1 SW33.1 SW57.1 SW58.1 SW59.1 SW60.1 SW61.1 SW62.1 SW63.1 SW64.1 U1.8
row_2: SW6.1 SW10.1 SW15.1 SW20.1 SW23.1 SW27.1 SW30.1 SW46.1 SW65.1 SW66.1 SW67.1 SW68.1 SW69.1 SW70.1 SW71.1 SW72.1 U1.9
row_3: SW3.1 SW7.1 SW11.1 SW16.1 SW21.1 SW26.1 SW31.1 SW34.1 SW73.1 SW74.1 SW75.1 SW76.1 SW77.1 SW78.1 SW79.1 SW80.1 U1.10
row_4: SW38.1 SW39.1 SW40.1 SW41.1 SW42.1 SW43.1 SW44.1 SW45.1
row_5: SW12.1 SW17.1 SW22.1
SCL: U1.6 U5.3
SCLK: J1.12 J2.1 J3.12 J5.4 J6.1 U1.16 U2.11 U4.10 U7.11
SDA: U1.5 U5.2
SR_CS: U1.12 U2.12 U7.12
TFT_BL: J5.8 U1.26
TFT_CS: J5.5 U1.17
TFT_DC: J5.6 U1.27
TFT_RST: J5.7 U1.25
Net-(D1-K): D1.1 SW1.2
Net-(D2-K): D2.1 SW2.2
Net-(D3-K): D3.1 SW3.2
Net-(D4-K): D4.1 SW4.2
Net-(D5-K): D5.1 SW5.2
Net-(D6-K): D6.1 SW6.2
Net-(D7-K): D7.1 SW7.2
Net-(D8-K): D8.1 SW8.2
Net-(D9-K): D9.1 SW9.2
Net-(D10-K): D10.1 SW10.2
Net-(D11-K): D11.1 SW11.2
Net-(D12-K): D12.1 SW12.2
Net-(D13-K): D13.1 SW13.2
Net-(D14-K): D14.1 SW14.2
Net-(D15-K): D15.1 SW15.2
Net-(D16-K): D16.1 SW16.2
Net-(D17-K): D17.1 SW17.2
Net-(D18-K): D18.1 SW18.2
Net-(D19-K): D19.1 SW19.2
Net-(D20-K): D20.1 SW20.2
Net-(D21-K): D21.1 SW21.2
Net-(D22-K): D22.1 SW22.2
Net-(D23-K): D23.1 SW23.2
Net-(D24-K): D24.1 SW24.2
Net-(D25-K): D25.1 SW25.2
Net-(D26-K): D26.1 SW26.2
Net-(D27-K): D27.1 SW27.2
Net-(D28-K): D28.1 SW28.2
Net-(D29-K): D29.1 SW29.2
Net-(D30-K): D30.1 SW30.2
Net-(D31-K): D31.1 SW31.2
Net-(D32-K): D32.1 SW32.2
Net-(D33-K): D33.1 SW33.2
Net-(D34-K): D34.1 SW34.2
Net-(D35-K): D35.1 SW47.S2
Net-(D36-K): D36.1 SW48.S2
Net-(D37-DIN): D37.4 D38.2
Net-(D37-DOUT): D37.2 D99.4
Net-(D38-DIN): D38.4 D39.2
Net-(D39-DIN): D39.4 D94.2
Net-(D40-A): D40.2 F1.1
Net-(D41-DIN): D41.4 D85.2
Net-(D41-DOUT): D41.2 D52.4
Net-(D42-DIN): D42.4 D88.2
Net-(D42-DOUT): D42.2 D49.4
Net-(D43-K): D43.1 SW46.2
Net-(D44-DIN): D44.4 D86.2
Net-(D44-DOUT): D44.2 D50.4
Net-(D45-DIN): D45.4 D89.2
Net-(D45-DOUT): D45.2 D51.4
Net-(D46-DOUT): D46.2 D53.4
Net-(D47-DIN): D47.4 D90.2
Net-(D47-DOUT): D47.2 D54.4
Net-(D48-DIN): D48.4 D91.2
Net-(D48-DOUT): D48.2 D55.4
Net-(D49-DOUT): D49.2 D56.4
Net-(D50-DOUT): D50.2 D57.4
Net-(D51-DOUT): D51.2 D58.4
Net-(D52-DOUT): D52.2 D59.4
Net-(D53-DOUT): D53.2 D60.4
Net-(D54-DOUT): D54.2 D61.4
Net-(D55-DOUT): D55.2 D62.4
Net-(D56-DOUT): D56.2 D63.4
Net-(D57-DOUT): D57.2 D64.4
Net-(D58-DOUT): D58.2 D65.4
Net-(D59-DOUT): D59.2 D66.4
Net-(D60-DOUT): D60.2 D67.4
Net-(D61-DOUT): D61.2 D68.4
Net-(D62-DOUT): D62.2 D69.4
Net-(D63-DOUT): D63.2 D70.4
Net-(D64-DOUT): D64.2 D71.4
Net-(D65-DOUT): D65.2 D72.4
Net-(D66-DOUT): D66.2 D73.4
Net-(D67-DOUT): D67.2 D74.4
Net-(D68-DOUT): D68.2 D83.4
Net-(D69-DOUT): D69.2 D84.4
Net-(D70-DOUT): D70.2 D86.4
Net-(D71-DOUT): D71.2 D87.4
Net-(D72-DOUT): D72.2 D88.4
Net-(D73-DOUT): D73.2 D89.4
Net-(D74-DOUT): D74.2 D90.4
Net-(D75-K): D75.1 SW38.2
Net-(D76-K): D76.1 SW39.2
Net-(D77-K): D77.1 SW40.2
Net-(D78-K): D78.1 SW41.2
Net-(D79-K): D79.1 SW42.2
Net-(D80-K): D80.1 SW43.2
Net-(D81-K): D81.1 SW44.2
Net-(D82-K): D82.1 SW45.2
Net-(D83-DOUT): D83.2 D91.4
Net-(D84-DOUT): D84.2 D85.4
Net-(D87-DOUT): D87.2 D92.4
Net-(D93-DIN): D93.4 D95.2
Net-(D94-DIN): D94.4 D96.2
Net-(D95-DIN): D95.4 D97.2
Net-(D96-DIN): D96.4 D98.2
Net-(D97-DIN): D97.4 D99.2
Net-(D100-DIN): D93.2 D100.4
Net-(D100-DOUT): D100.2 D101.4
Net-(D101-DOUT): D101.2 D102.4
Net-(D102-DOUT): D102.2 D103.4
Net-(D103-DOUT): D103.2 D104.4
Net-(D104-DOUT): D104.2 D105.4
Net-(D105-DOUT): D105.2 D106.4
Net-(D106-DOUT): D106.2 D107.4
Net-(D107-DOUT): D107.2 D109.4
Net-(D108-DIN): D108.4 D109.2
Net-(D110-K): D110.1 SW49.2
Net-(D111-K): D111.1 SW50.2
Net-(D112-K): D112.1 SW51.2
Net-(D113-K): D113.1 SW52.2
Net-(D114-K): D114.1 SW53.2
Net-(D115-K): D115.1 SW54.2
Net-(D116-K): D116.1 SW55.2
Net-(D117-K): D117.1 SW56.2
Net-(D118-K): D118.1 SW57.2
Net-(D119-K): D119.1 SW58.2
Net-(D120-K): D120.1 SW59.2
Net-(D121-K): D121.1 SW60.2
Net-(D122-K): D122.1 SW61.2
Net-(D123-K): D123.1 SW62.2
Net-(D124-K): D124.1 SW63.2
Net-(D125-K): D125.1 SW64.2
Net-(D126-K): D126.1 SW65.2
Net-(D127-K): D127.1 SW66.2
Net-(D128-K): D128.1 SW67.2
Net-(D129-K): D129.1 SW68.2
Net-(D130-K): D130.1 SW69.2
Net-(D131-K): D131.1 SW70.2
Net-(D132-K): D132.1 SW71.2
Net-(D133-K): D133.1 SW72.2
Net-(D134-K): D134.1 SW73.2
Net-(D135-K): D135.1 SW74.2
Net-(D136-K): D136.1 SW75.2
Net-(D137-K): D137.1 SW76.2
Net-(D138-K): D138.1 SW77.2
Net-(D139-K): D139.1 SW78.2
Net-(D140-K): D140.1 SW79.2
Net-(D141-K): D141.1 SW80.2
Net-(R4-Pad2): R4.2 R5.1 SW36.A
Net-(R6-Pad1): R6.1 R7.2 SW36.B
Net-(U2-QH'): U2.9 U7.14
Net-(U4-LED_P): R1.2 U4.15
Net-(U4-VDDPIX): C3.1 C4.2 U4.3
Net-(U4-~{NRESET}): R2.1 U4.7

Pads without a net: D35 2; D36 2; D92 2; D98 4; D108 2; H1 1; H2 1; H3 1; H4 1; H5 1; H8 1; H9 1; H10 1; J1 3 4 5 6 7 13 14; J2 6 7 8 9 10 13 14; J3 3 4 5 6 7 13 14; J6 6 7 8 9 10 13 14; SW36 MP; SW37 1; SW47 MP S1; SW48 MP S1; U1 1 11 13; U3 4; U4 1 2 6 14 16; U5 4; U7 9

## Copper pours and planes (outline as drawn; the poured copper is in the pictures)
GND on Top, Bottom: 303.27,-12.67 -13.21,-11.91 -11.94,133.89 303.27,135.67
